# KiCad board ZVE.kicad_pcb (continued)
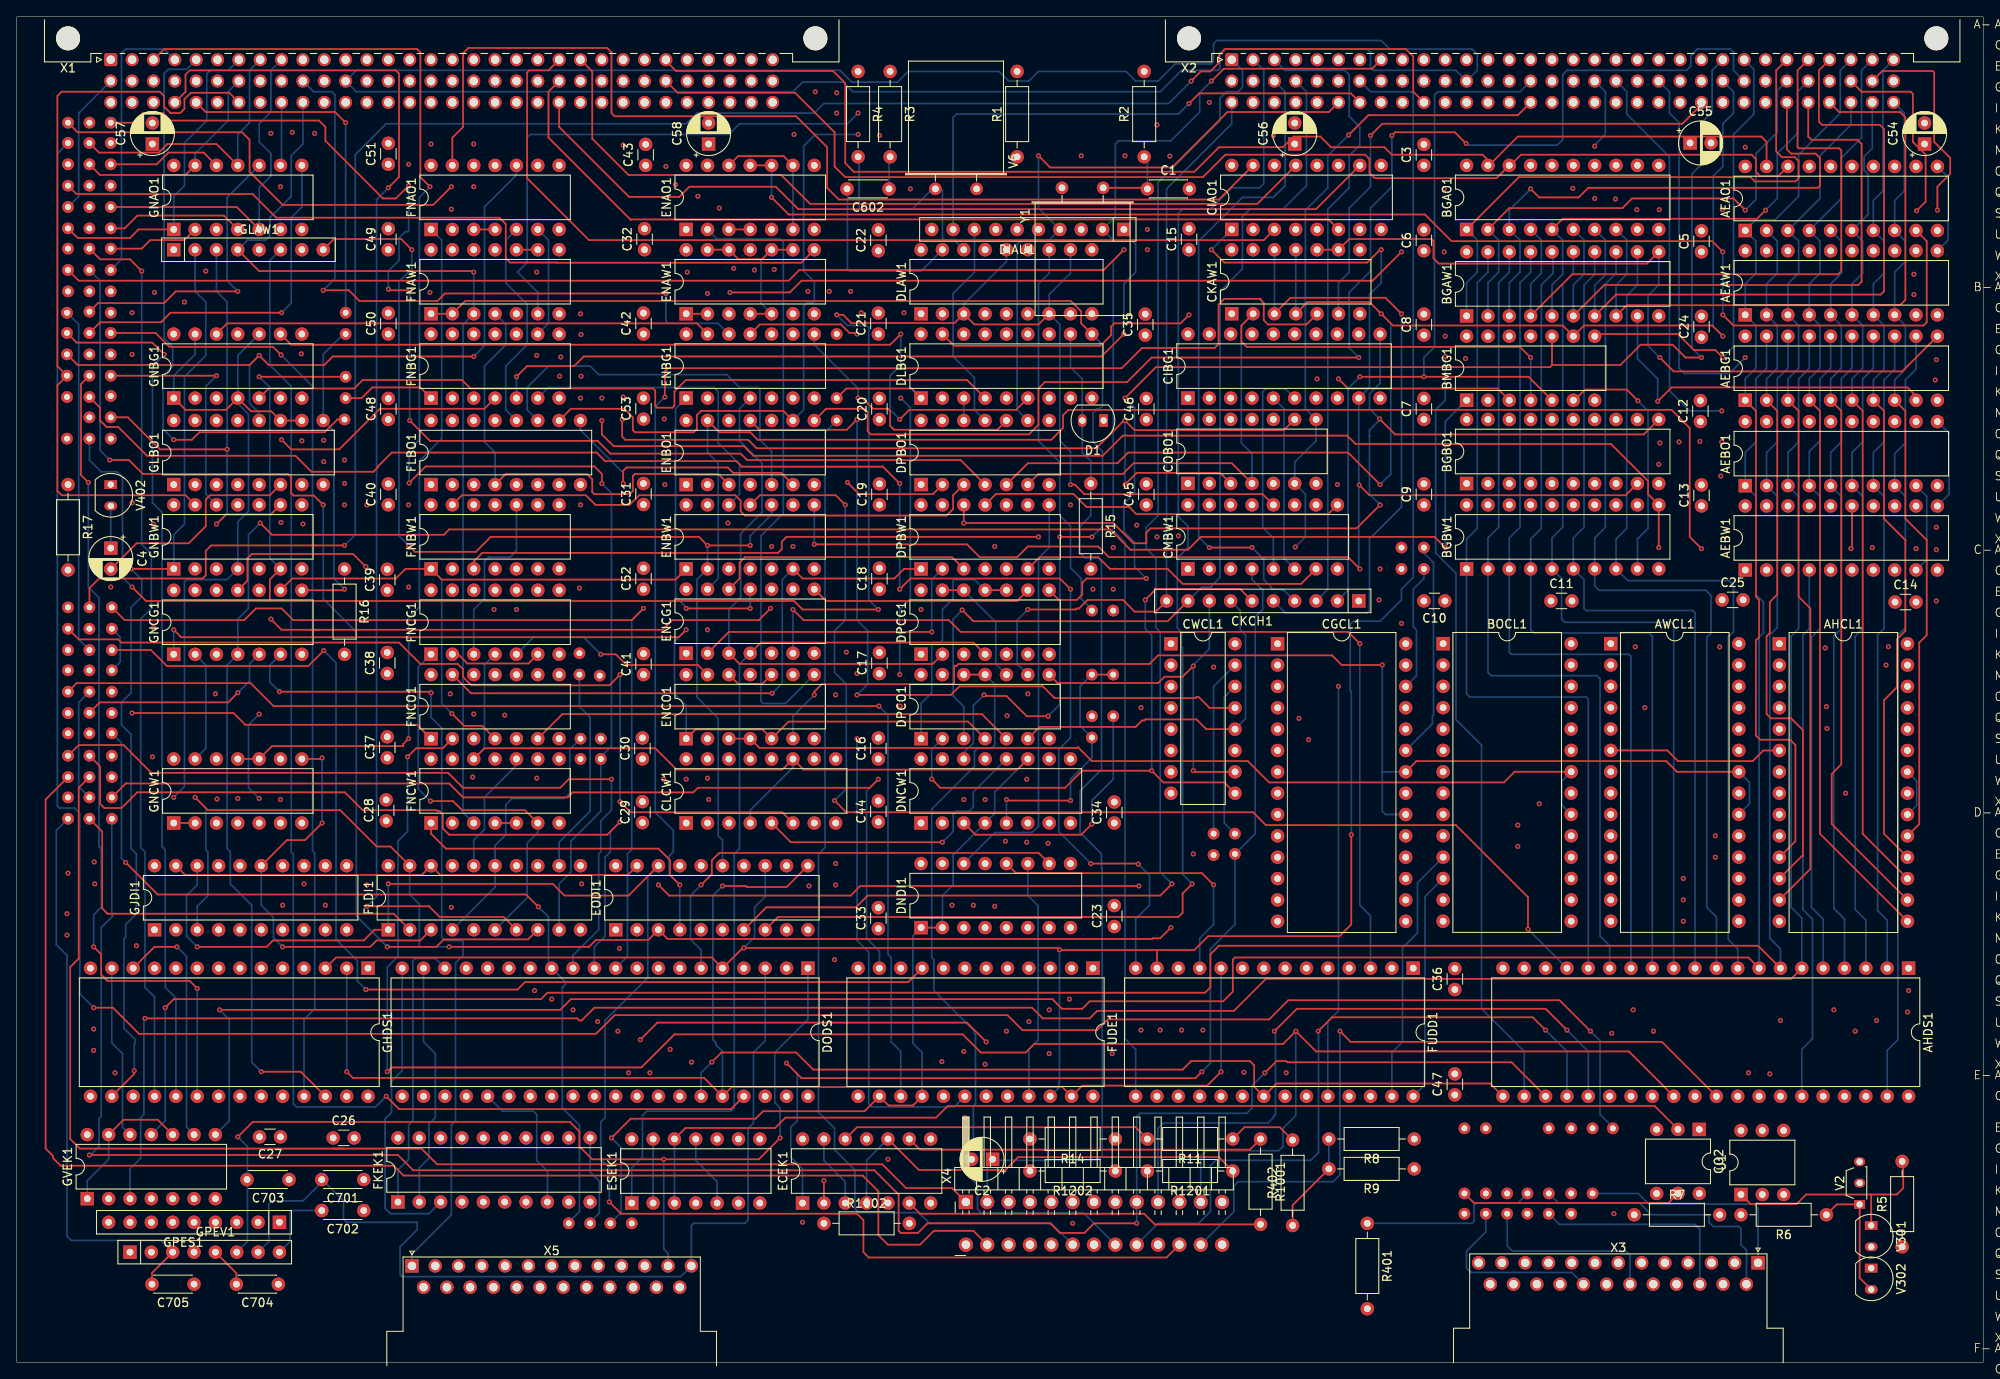
[diagram p0: board, top side]
## Routing (per net, layer and track width the routed paths; a pad name or vN(x,y) marks a point on that pad's centre or on a via; arc(x,y) is an arc through that point) (continued)
Net-(GHDS1-IR2): length 98.3
  Top w0.2: v1(8.51,104.66) 7.64,105.53 7.64,116.36 X829.1 ; v1(9.14,49.41) 10.03,48.52 10.03,46.11 10.8,45.35 20.57,45.35 v1(21.46,44.46)
  Bottom w0.2: GHDS1.20 v1(21.46,44.46) ; v1(9.14,49.41) 9.14,53.22 10.03,54.11 10.03,61.1 9.78,61.35 9.78,90.94 8.51,92.21 v1(8.51,104.66)
Net-(GHDS1-IR3): length 105.5
  In1.Cu w0.2: 20.32,63.48 19.94,63.86 v1(19.94,126.12) ; 20.19,63.49 20.19,43.97 ; GHDS1.21 24,40.27 20.32,43.95
  In4.Cu w0.2: X810.1 12.45,126.12 v1(19.94,126.12)
Net-(GHDS1-IR4): length 114.7
  In1.Cu w0.2: GHDS1.22 26.54,41.16 22.73,44.97 22.73,61.22 22.48,61.48 v1(22.48,129.8)
  In4.Cu w0.2: X825.1 9.91,128.66 21.34,128.66 v1(22.48,129.8)
Net-(GHDS1-IR5): length 120.6
  In1.Cu w0.2: GHDS1.23 37.85,40.4 37.85,97.8 35.31,100.34 35.31,106.49 32.81,108.99 32.81,118.92 v1(33.85,119.96)
  In4.Cu w0.2: v1(33.85,119.96) 32.77,121.04 9.78,121.04 X828.1
Net-(GHDS1-IR6): length 103.5
  In1.Cu w0.2: v1(11.68,34.43) 12.45,35.19 12.45,54.3 11.2,55.54 11.2,61.07 9.91,62.37 9.91,113.67 X814.1
  In4.Cu w0.2: v1(11.68,34.43) 13.08,33.03 30.23,33.03 GHDS1.24
Net-(GHDS1-IR7): length 111.7
  Top w0.2: v1(31.43,119.83) 30.48,120.79 18.16,120.79 16.51,122.44 X811.1
  Bottom w0.2: GHDS1.25 34.16,40.78 35.43,42.05 35.43,60.59 35.18,60.84 35.18,116.09 v1(31.43,119.83)
Net-(GHDS1-SP/EN): length 112.5
  Top w0.2: v1(13.97,34.68) 13.97,34.3 GHDS1.16 ; GNBW1.1 13.6,94.38 v1(13.59,94.37)
  Bottom w0.2: v1(13.59,94.37) 14.86,93.1 14.86,91.07 13.59,89.8 13.59,79.64 12.45,78.5 12.45,75.83 13.59,74.69 13.59,61.1 14.22,60.46 14.22,53.35 12.95,52.08 12.95,50.56 12.74,50.34 12.74,39.72 14.1,38.36 14.1,37.98 13.97,37.86 v1(13.97,34.68) ; GLAW1.2 21.21,127.39 22.48,126.12 22.48,119.77 19.94,117.23 19.94,99.7 18.67,98.43 GNBW1.1
Net-(GJDI1-AEN): length 101.9
  Top w0.2: 35.94,87.13 34.8,87.13 ; 35.94,87.13 34.8,87.13 ; 35.94,87.13 76.83,87.13 77.98,88.27 88.27,88.27 v1(89.66,89.67) ; 34.8,87.13 31.5,87.13 v1(30.23,88.4)
  In1.Cu w0.2: v1(89.66,89.67) 89.79,89.8 89.79,91.96 ; GJDI1.6 30.23,52.59 v1(30.23,88.4)
Net-(GLAW1B-R2.2): length 57.7
  Top w0.2: v1(25.02,108.59) 17.02,108.59 13.21,112.4 X815.1 ; GNBW1.9 30.23,100.86 30.23,100.85 24.89,100.85 v1(23.75,99.7)
  Bottom w0.2: v1(23.75,99.7) 25.02,100.97 v1(25.02,108.59) 25.02,126.12 23.75,127.39 GLAW1.3
Net-(GLBO1B-C): length 26.2
  Top w0.2: C4.2 14.25,97.42 20.45,97.42 22.48,99.45 22.48,102.63 22.99,103.13 30.1,103.13 GLBO1.6
Net-(GLBO1B-RL): length 24.6
  In4.Cu w0.2: V402.1 13.84,104.4 16.13,106.69 31.62,106.69 GLBO1.7
Net-(GNCG1-Pad2): length 13.5
  Bottom w0.2: GNCG1.2 22.48,82.94 22.48,73.03 GNCW1.13
Net-(R9-Pad1): length 48.3
  In1.Cu w0.2: R9.1 164.08,25.16 164.08,28.2 165.23,29.35 203.33,29.35 U1.6
Net-(R402-Pad1): length 69.1
  Top w0.2: R402.1 151.76,18.68 R9.2
  In1.Cu w0.2: U1.4 207.52,30.24 159.64,30.24 155.83,26.43
  Bottom w0.2: R9.2 R8.2
Net-(V2-B): length 31.5
  In1.Cu w0.2: R7.1 194.94,20.08
  In4.Cu w0.2: CO2.4 199.01,16.14 203.71,16.14 R6.2 212.98,17.54 214.38,18.93 216.79,18.93 219.17,21.31
Net-(V2-C): length 65
  Top w0.2: X713.1 173.36,18.93 196.47,18.93 CO2.5
  In1.Cu w0.2: V2.3 222,21.08 222,12.58 V302.1
  In4.Cu w0.2: CO2.5 198.88,18.81 211.71,18.81 212.85,19.95 215.32,19.95 V2.3
Net-(V2-E): length 57.5
  Top w0.2: V302.2 219.22,10.02 V2.1 216.5,18.77 215.2,17.47
  In4.Cu w0.2: W102A1.1 178.44,18.93 178.44,16.77 180.09,15.12 212.85,15.12 215.2,17.47
Net-(V301-A): length 79.7
  In1.Cu w0.2: 187.45,18.93 187.45,13.6 186.44,12.58 186.44,11.31 185.04,9.92 185.04,8.65 182.75,6.36 R401.2 ; 187.45,18.93 190.75,18.93 191.13,18.55 191.13,16.65 191.52,16.27 207.64,16.27 ; 187.45,18.93 186.06,18.93 X704.1 ; 207.64,16.27 U1.2 ; 207.64,16.27 216.66,16.27 219.2,13.73 V301.2
Net-(V301-K): length 27.4
  Top w0.2: V301.1 220.6,19.95 ; 220.6,19.95 212.85,19.95 211.71,18.81 206.25,18.81 U1.1 ; 220.6,19.95 223.65,19.95 224.41,20.71 224.41,23.89
Net-(V402-A): length 12.4
  In4.Cu w0.2: R17.1 6.1,102.24 6.48,101.86 V402.2
  Bottom w0.2: V402.2 C4.1
Net-(W101B1-Pin_1): length 82.6
  In1.Cu w0.2: R5.1 224.28,10.04 221.11,6.87 191.9,6.87 190.63,8.14 190.63,9.92 189.1,11.44 189.1,16.77 v1(189.99,17.66)
  In4.Cu w0.2: W101B1.1 180.98,18.81 188.85,18.81 v1(189.99,17.66)
  Bottom w0.2: R401.1 173.1,16.52 173.36,16.77 173.36,18.68 173.61,18.93 178.56,18.93 W101B1.1
Net-(W103B1-Pin_1): length 136.7
  Top w0.2: GNCW1.2 GNCW1.1
  In1.Cu w0.2: v1(97.41,79.38) 97.41,74.69 96.14,73.42 96.14,63.51 97.41,62.24 v1(97.41,59.32)
  In4.Cu w0.2: v1(97.41,59.32) 97.41,60.97 96.9,61.48 21.84,61.48 21.21,62.11 GNCW1.2 ; W103B1.1 126.87,77.86 122.05,77.86 121.54,77.35 119,77.35 118.49,77.86 116.71,77.86 115.82,76.97 99.82,76.97 v1(97.41,79.38)
Net-(X702-Pin_1): length 26.9
  Bottom w0.2: X702.1 192.87,20.08 194.14,18.81 206.63,18.81 207.14,18.3 X3.1
Net-(X743-Pin_1): length 11.2
  Top w0.2: FNBG1.1 48.01,115.96 42.29,115.96 41.02,114.69 X743.1
Net-(X801-Pin_1): length 144.9
  Top w0.2: v1(44.2,127.64) 44.32,127.52 v1(46.74,127.52) ; DPBO1.4 112.27,107.32 86.87,107.32 86.11,108.09 70.61,108.09 69.09,109.61 49.15,109.61 v1(46.74,112.02) ; X801.1 13.84,147.46 14.99,148.6 17.4,148.6 18.29,147.71 35.94,147.71 36.7,146.95 36.7,145.3 43.56,138.44 45.08,138.44 v1(46.61,139.96)
  Bottom w0.2: v1(46.74,112.02) v1(46.74,127.52) ; v1(46.61,139.96) 46.61,134.63 46.48,134.5 46.23,134.5 45.47,133.74 45.47,131.07 44.2,129.8 v1(44.2,127.64)
Net-(X803-Pin_1): length 13.8
  Top w0.2: GNAO1.12 22.22,143.9 18.03,143.9 16.64,142.5 X803.1
Net-(X804-Pin_1): length 95.8
  In1.Cu w0.2: v1(13.72,124.85) 13.72,137.42 X804.1
  In4.Cu w0.2: v1(13.72,124.85) 27.94,124.85 29.08,125.99 91.06,125.99 ENAW1.6
Net-(X806-Pin_1): length 16.4
  Top w0.2: X806.1 12.83,134.88 14.35,136.41 24.64,136.41 GNAO1.4
Net-(X807-Pin_1): length 11
  Top w0.2: GNAO1.2 19.94,133.49 15.88,133.49 14.86,132.47 X807.1
Net-(X812-Pin_1): length 36.4
  In1.Cu w0.2: v1(13.72,119.9) v1(13.72,102.24)
  In4.Cu w0.2: X812.1 v1(13.72,119.9) ; GNBW1.10 27.68,100.85 17.65,100.85 16.26,102.24 v1(13.72,102.24)
Net-(X813-Pin_1): length 29
  Top w0.2: X813.1 v1(23.75,117.36)
  Bottom w0.2: v1(23.75,117.36) 22.48,116.09 22.48,103.27 GNBW1.12
Net-(X817-Pin_1): length 89.7
  In1.Cu w0.2: v1(54.36,139.84) 55.63,138.57 55.63,128.53 58.29,125.87 58.29,103.4 FNBW1.11
  In4.Cu w0.2: v1(54.36,139.84) 52.96,141.23 15.37,141.23 12.7,143.9 10.8,143.9 9.91,144.79 9.91,146.19 X817.1
Net-(X822-Pin_1): length 56.9
  In4.Cu w0.2: X822.1 9.91,133.61 63.25,133.61 64.52,132.34
Net-(X826-Pin_1): length 35.7
  Top w0.2: X826.1 9.65,125.99 17.53,125.99 18.92,127.39 v1(26.29,127.39)
  Bottom w0.2: v1(26.29,127.39) 25.02,128.66 25.02,138.57 GNAO1.10
Net-(X827-Pin_1): length 42.4
  Top w0.2: X827.1 9.91,123.71 17.14,123.71 18.29,124.85 v1(31.5,124.85)
  Bottom w0.2: v1(31.5,124.85) 32.64,125.99 32.64,136.15 33.91,137.42 GNAO1.8
Net-(X833-Pin_1): length 92.8
  Top w0.2: v1(51.69,139.84) 49.53,137.68 31.62,137.68 27.69,141.61 27.69,145.42 26.8,146.31 7.24,146.31 X833.1
  In1.Cu w0.2: v1(51.69,139.84) 53.09,138.44 53.09,128.28 55.63,125.74 55.63,103.27 FNBW1.12
Net-(X835-Pin_1): length 31.5
  In1.Cu w0.2: GNAO1.6 v1(31.37,139.84)
  In4.Cu w0.2: X835.1 7.37,141.23 12.45,141.23 13.84,139.84 v1(31.37,139.84)
Net-(X836-Pin_1): length 95.6
  Top w0.2: X836.1 7.1,138.96 28.05,138.96 30.86,136.15 57.4,136.15 58.17,135.39 58.17,131.33 58.67,130.82 64.24,130.82 64.26,130.8 93.33,130.8 ENAW1.8
Net-(X915-Pin_1): length 119.4
  In4.Cu w0.2: v1(28.83,67.07) 30.23,65.67 30.23,63.26 30.48,63 108.97,63 DNCW1.2 ; v1(28.83,77.1) 16.26,77.1 14.99,78.37 10.67,78.37 9.91,79.13 9.91,81.04 X915.1
  Bottom w0.2: v1(28.83,77.1) 27.56,75.83 27.56,68.34 v1(28.83,67.07)
Net-(X916-Pin_1): length 13.6
  Bottom w0.2: X921.1 7.37,68.46 7.37,78.5 X916.1
Net-(X917-Pin_1): length 35.3
  Top w0.2: X917.1 9.87,78.5 25.15,78.5 v1(26.29,79.64)
  In4.Cu w0.2: R16.2 37.89,85.31 29.93,85.31 GNCG1.5
  Bottom w0.2: v1(26.29,79.64) 27.69,81.04 27.69,83.07 GNCG1.5
Net-(X926-Pin_1): length 108.1
  In1.Cu w0.2: CLCW1.2 83.57,65.54 83.57,85.73 v1(82.17,87.13)
  In4.Cu w0.2: v1(82.17,87.13) 80.77,85.73 77.09,85.73 75.82,87 54.1,87 52.83,88.27 33.91,88.27 32.51,89.67 15.11,89.67 13.97,88.53 7.87,88.53 7.37,88.02 7.37,83.58 X926.1

## Copper pours and planes (outline as drawn; the poured copper is in the pictures)
(no net) on In2.Cu: 161.67,7.25 217.68,7.25 217.68,21.6 170.56,21.6 170.56,17.15 161.67,17.15
A on In2.Cu: 8.38,157.87 226.19,157.87 226.19,154.7 231.9,154.7 231.9,29.98 211.58,29.98 211.58,26.04 155.09,26.04 155.09,2.93 11.56,2.93 11.56,8.65 3.3,8.65 3.3,153.43 8.38,153.43
B on In3.Cu: 226.19,157.87 226.19,154.7 231.9,154.7 231.9,29.98 211.58,29.98 211.58,26.04 155.09,26.04 155.09,2.93 11.56,2.93 11.56,8.65 3.3,8.65 3.3,153.43 8.38,153.43 8.38,157.87

## Text on the board
F.Silkscreen: K | I | G | E | C | H | A | X | W | U | S | Q | O | M | F | D | B | A- | B- | C- | D- | E- | F-
